# Altium PCB InterceptorRS232.PcbDoc
Units mm, origin at the board's own origin, x right, y up, seen from the top; angles counter-clockwise.
Board outline 125 x 63 mm, 2 copper layers (Top Layer, Bottom Layer); 33 components, 41 nets, 187 pads, 0 vias.
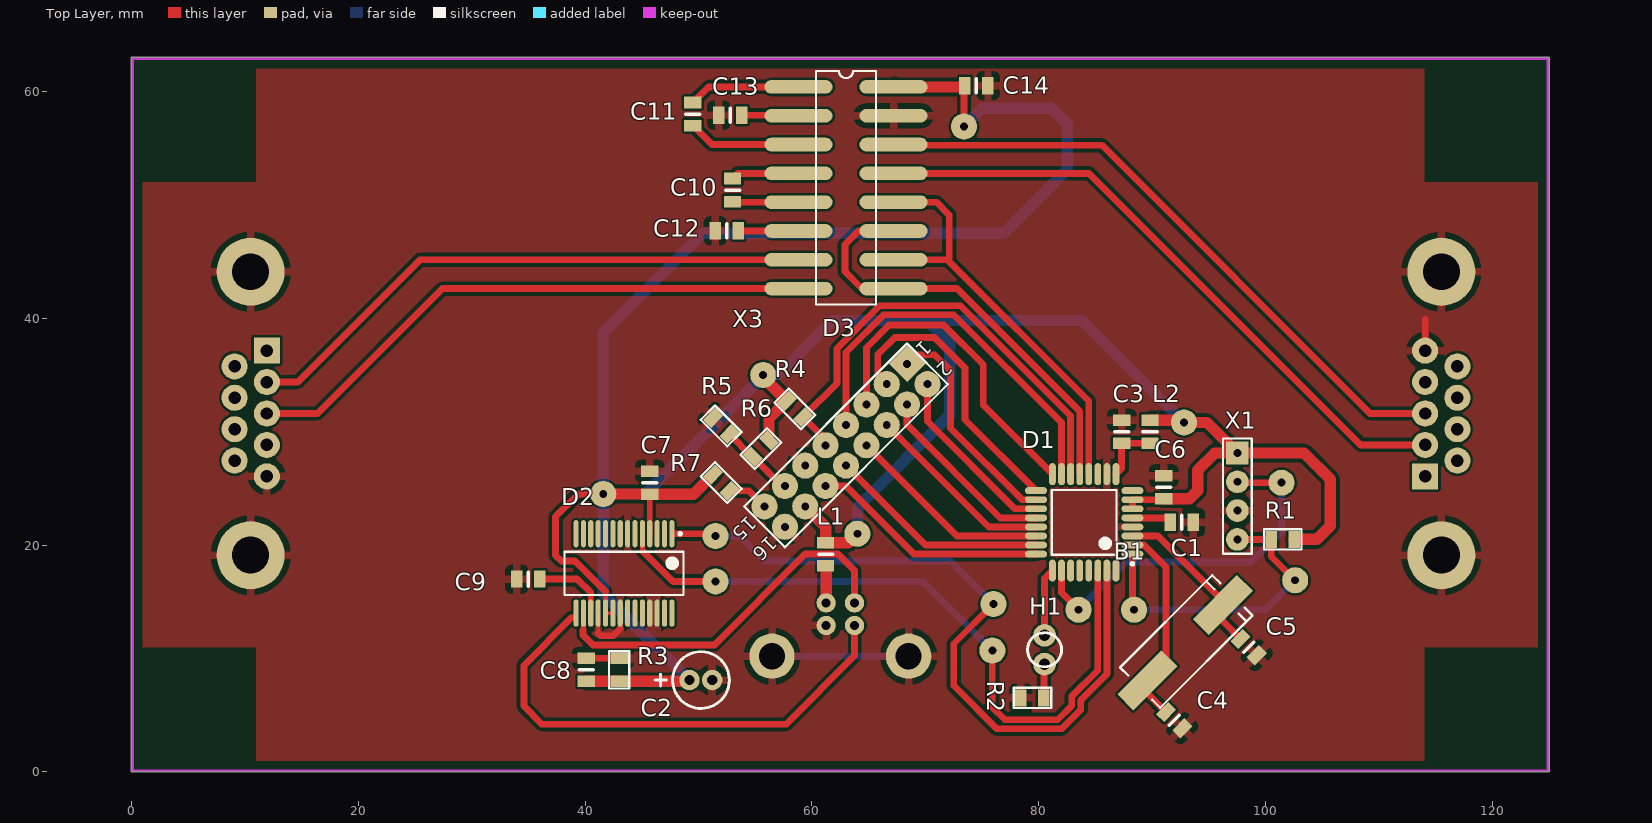
[diagram p0: Top Layer view]
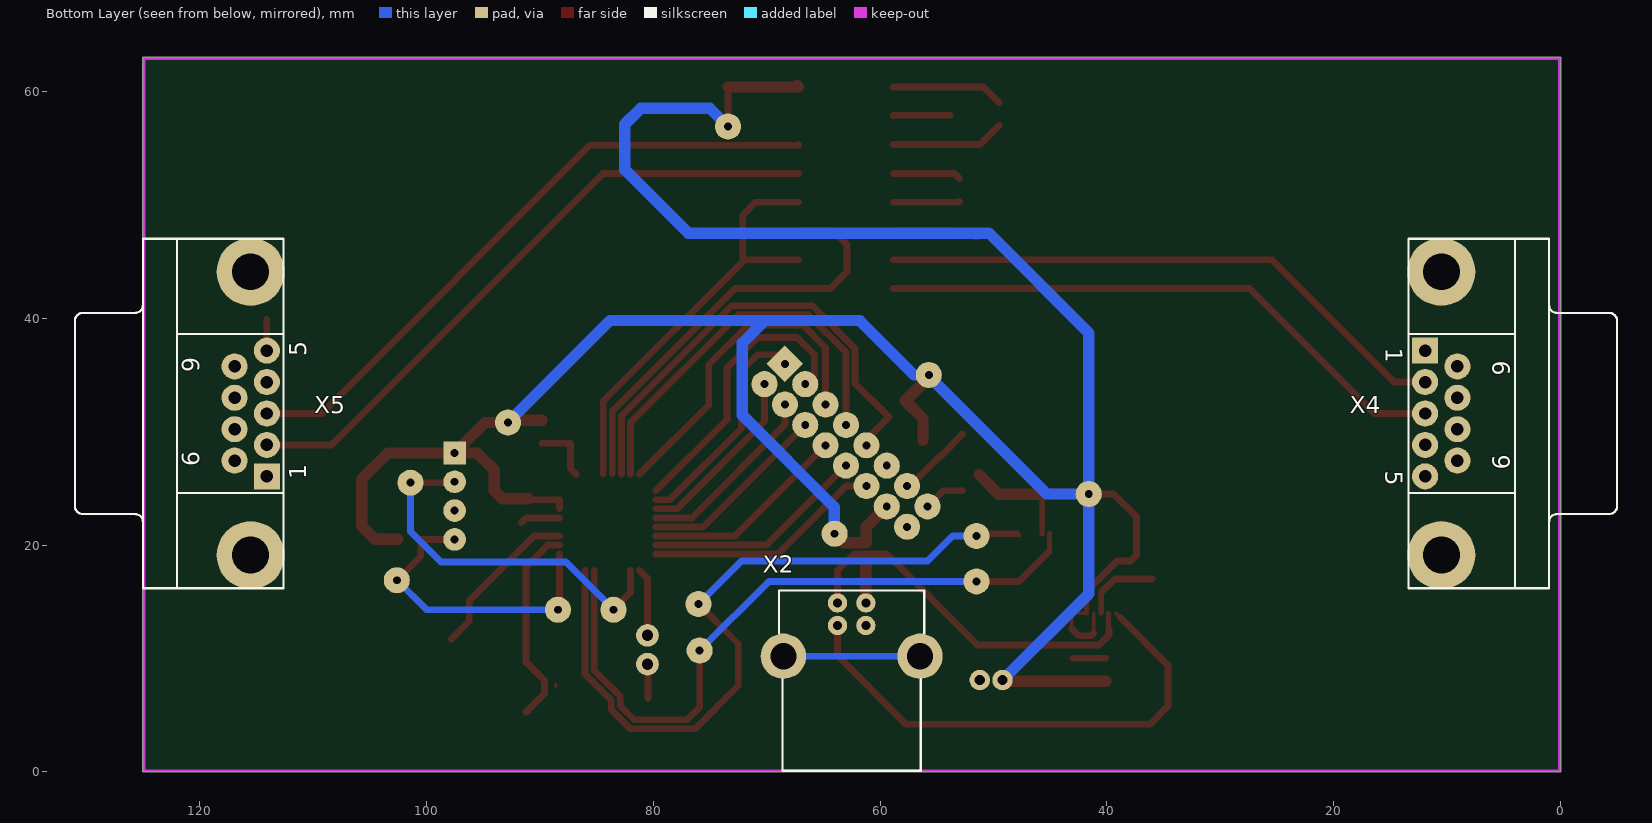
[diagram p1: Bottom Layer view, seen from below]

## Layer stack, top to bottom
Top Solder: solder mask 0.0102, Solder Resist, Dk 3.5
Top Layer: signal copper 0.0356
Dielectric 1: dielectric 0.32, FR-4, Dk 4.8
Bottom Layer: signal copper 0.0356
Bottom Solder: solder mask 0.0102, Solder Resist, Dk 3.5

## Board outline
0,63 125,63 125,0 0,0

## Design rules (kind name [scope] priority, off if disabled: settings)
Clearance [All] p1: gap=0.2 ignorepadtopadclearanceinfootprint=FALSE except(0: Arc-Hole Track-Hole SMDPad-Hole THPad-Hole Via-Hole Fill-Hole Poly-Hole Region-Hole Text-Hole; 0.3: Arc-Fill Arc-Poly Arc-Region Track-Fill Track-Poly Track-Region)
ComponentClearance [All] p1: gap=0.254 collisioncheckmode=3 verticalgap=0.254 showdistances=TRUE
PlaneConnect [All] p1: planeconnectstyle=Relief reliefexpansion=0.508 reliefentries=4 reliefconductorwidth=0.6 reliefairgap=0.5
PolygonConnect [All] p1: connectstyle=Relief reliefconductorwidth=0.7 reliefentries=4 polygonreliefangle="90 Angle" airgapwidth=0.5
RoutingVias [All] p1: holewidth=0.711 width=1.27 viastyle="Through Hole" minholewidth=0.711 minwidth=1.27 maxholewidth=0.711 maxwidth=1.27
SolderMaskExpansion [All] p1: expansion=0.3
UnRoutedNet [All] p1: checkbadconnections=TRUE
Width Width_5V_1mm [InNet('5В')OR InNet('NetL1_1')] p1: maxlimit=1 minlimit=0.2 preferedwidth=1 minimp=50.000000 maximp=50.000000 favimp=50.000000
Width [All] p2: maxlimit=1 minlimit=0.254 preferedwidth=0.6 minimp=50.000000 maximp=50.000000 favimp=50.000000
27 further rules are at their usual default settings.

## Components (designator, comment, footprint, x,y, rotation, side; value= is the part's Value field where it differs from the comment)
B1 "*" CSM-7 93,11.5 r225 top
C1 "" SMD-0805C 92.612,22 r270 top
C2 "Cap_el" CAP_5x11 49.2,8.1 r0 top
C3 "" SMD-0805C 87.3,30 r0 top
C4 "" SMD-0805C 91.933,4.567 r45 top
C5 "" SMD-0805C 98.5,11 r45 top
C6 "" SMD-0805C 91,25.1 r0 top
C7 "" SMD-0805C 45.7,25.5 r0 top
C8 "" SMD-0805C 40.1,9 r0 top
C9 "" SMD-0805C 35,17 r90 top
C10 "" SMD-0805C 53,51.3 r180 top
C11 "" SMD-0805C 49.5,58 r180 top
C12 "" SMD-0805C 52.5,47.7 r90 top
C13 "" SMD-0805C 52.8,57.9 r90 top
C14 "" SMD-0805C 74.5,60.5 r270 top
D1 "*" TQFP32_M 84,22 r180 top
D2 "FT232RL-Reel" SSOP-28_M 43.425,17.5 r270 top
D3 "MAX232EWE" "SOP-16 (2.54 mm)" 63,51.5 r270 top
H1 "" LED_3mm 80.5,12.04 r270 top
L1 "Inductor" SMD-0805C 61.2,19.2 r180 top value=10mH
L2 "Inductor" SMD-0805C 89.8,30 r0 top value=10mH
R1 "" SMD-0805-RES 101.5,20.5 r90 top value=1K
R2 "" SMD-0805-RES 79.436,6.524 r270 top value=1K
R3 "" SMD-0805-RES 43,9 r0 top value=1K
R4 "" SMD-0805-RES 58.5,32 r45 top value=1K
R5 "" SMD-0805-RES 52,30.5 r225 top value=1K
R6 "" SMD-0805-RES 55.5,28.5 r315 top value=1K
R7 "" SMD-0805-RES 52,25.5 r45 top value=1K
X1 "*" PLS-4 97.5,28.12 r270 top
X2 "*" "FCI USB 61729-0010BLF" 62.5,10.2 r180 bottom
X3 "*" PLD2x8 68.388,35.98 r225 top
X4 "*" DB-9F 1.02,31.6 r270 bottom
X5 "*" DB-9M 124.98,31.6 r90 bottom

## Footprints (in the part's own frame and the unit in brackets; to place one, negate y for a bottom-side part, rotate by r counter-clockwise, add the part's x,y. Pads: shape width x height; smd on the part's side, far side on the other; paste and mask are expansions set on the pad)
CAP_5x11 [mm] "Electorlytic capacitor 5x11; 2 Leads"
  round 1.8 hole 0.9: 1(0,0) 2(2,0)
  silkscreen extent -3.05,-2.5 3.52,2.5, body extent -1.48,-2.5 3.51,2.5, height 11.11
CSM-7 [mm] "Quartz Crystal, SM; 2 Leads; Body 11.4 x 4.8 x 5 mm (LxWxH)"
  rect 5.5x2 smd: 1(-4.55,0) 2(4.85,0)
  silkscreen extent -5.75,-2.5 5.75,2.5, body extent -6.6,-2.5 6.9,2.5, height 4.3
DB-9F [mm] "Connector female; D Subminiature; 9 Position; Right Angle; Pitch 1.385 mm"
  rect 2.3x2.3 hole 1.09: 1(-5.54,-10.92)
  round 2.3 hole 1.09: 2(-2.77,-10.92) 3(0,-10.92) 4(2.77,-10.92) 5(5.54,-10.92) 6(-4.155,-8.08) 7(-1.385,-8.08) 8(1.385,-8.08) 9(4.155,-8.08)
  round 6 hole 3.26: 10(-12.495,-9.5) 11(12.495,-9.5)
  silkscreen extent -15.4,-12.4 15.4,6, body extent -15.4,-12.5 15.41,5.8, height 12.52
DB-9M [mm] "Connector male; D Subminiature; 9 Position; Right Angle; Pitch 1.385 mm"
  rect 2.3x2.3 hole 1.09: 1(-5.54,-10.92)
  round 2.3 hole 1.09: 2(-2.77,-10.92) 3(0,-10.92) 4(2.77,-10.92) 5(5.54,-10.92) 6(-4.155,-8.08) 7(-1.385,-8.08) 8(1.385,-8.08) 9(4.155,-8.08)
  round 6 hole 3.26: 10(-12.495,-9.5) 11(12.495,-9.5)
  silkscreen extent -15.4,-12.4 15.4,6, body extent -15.25,-12.72 15.25,4.98, height 12.5
"FCI USB 61729-0010BLF" [mm]
  round 1.7 hole 0.8: 1(1.25,4.7) 2(-1.25,4.7) 3(-1.25,2.71) 4(1.25,2.71)
  round 4 hole 2.3: 5(-6.02,0) 6(6.02,0)
  silkscreen extent -6.4,-10.1 6.4,5.8, body extent -7.49,-10.28 7.46,6.22, height 10.9
LED_3mm [mm] "Photosensitive Diode; 2 Leads"
  round 2 hole 1: 1(0,0) 2(2.54,0)
  silkscreen extent -0.23,-1.5 2.77,1.5, body extent -0.76,-1.52 3.23,1.97, height 5.08
PLD2x8 [mm] "Connector; Header; 8x2 Position"
  rect 2.3x2.3 hole 0.7: 1(0,0)
  round 2.3 hole 0.7: 2(0,2.54) 3(2.54,0) 4(2.54,2.54) 5(5.08,0) 6(5.08,2.54) 7(7.62,0) 8(7.62,2.54) 9(10.16,0) 10(10.16,2.54) 11(12.7,0) 12(12.7,2.54) 13(15.24,0) 14(15.24,2.54) 15(17.78,0) 16(17.78,2.54)
  silkscreen extent -1.27,-1.27 19.05,3.81, body extent -1.27,-1.23 19.05,3.77, height 8.6
PLS-4 [mm] "Connector; Header; 4 Position"
  rect 2x2 hole 0.7: 1(0,0)
  round 2 hole 0.7: 2(2.54,0) 3(5.08,0) 4(7.62,0)
  silkscreen extent -1.27,-1.27 8.89,1.27, body extent -1.27,-1.27 8.89,1.27, height 9.5
SMD-0805-RES [mil]
  rect 60x40 smd: 1(0,40) 2(0,-40)
  silkscreen extent -35,-65 35,65, body extent -24,-39 26,39, height 31
SMD-0805C [mil]
  rect 60x40 smd: 1(0,40) 2(0,-40)
  silkscreen extent -25,0 25,0, body extent -25,-39 25,39, height 35
"SOP-16 (2.54 mm)" [mm] "SOP; 16 Leads; Row Spacing 7.62 mm; Pitch 2.54 mm"
  oval 1.2x6 smd: 1(-8.89,-4.191) 2(-6.35,-4.191) 3(-3.81,-4.191) 4(-1.27,-4.191) 5(1.27,-4.191) 6(3.81,-4.191) 7(6.35,-4.191) 8(8.89,-4.191) 9(8.89,4.191) 10(6.35,4.191) 11(3.81,4.191) 12(1.27,4.191) 13(-1.27,4.191) 14(-3.81,4.191) 15(-6.35,4.191) 16(-8.89,4.191)
  silkscreen extent -10.3,-2.65 10.3,2.65, body extent -10.16,-4.75 10.14,5.25, height 4.45
SSOP-28_M [mm] "SOP, 28-Leads, Body 10.2x5.3mm, Pitch 0.65mm, IPC Low Density"
  oval 2.4x0.45 smd: 1(-3.5,4.225) 2(-3.5,3.575) 3(-3.5,2.925) 4(-3.5,2.275) 5(-3.5,1.625) 6(-3.5,0.975) 7(-3.5,0.325) 8(-3.5,-0.325) 9(-3.5,-0.975) 10(-3.5,-1.625) 11(-3.5,-2.275) 12(-3.5,-2.925) 13(-3.5,-3.575) 14(-3.5,-4.225) 15(3.5,-4.225) 16(3.5,-3.575) 17(3.5,-2.925) 18(3.5,-2.275) 19(3.5,-1.625) 20(3.5,-0.975) 21(3.5,-0.325) 22(3.5,0.325) 23(3.5,0.975) 24(3.5,1.625) 25(3.5,2.275) 26(3.5,2.925) 27(3.5,3.575) 28(3.5,4.225)
  silkscreen extent -3.62,-5.25 1.9,5.25, body extent -3.9,-5.12 3.9,5.08, height 1.9
TQFP32_M [mm] "Thin QFP, 32-Leads, Body 7x7mm, Pitch 0.8mm, IPC Low Density"
  oval 1.95x0.6 smd: 1(-4.25,2.8) 2(-4.25,2) 3(-4.25,1.2) 4(-4.25,0.4) 5(-4.25,-0.4) 6(-4.25,-1.2) 7(-4.25,-2) 8(-4.25,-2.8) 17(4.25,-2.8) 18(4.25,-2) 19(4.25,-1.2) 20(4.25,-0.4) 21(4.25,0.4) 22(4.25,1.2) 23(4.25,2) 24(4.25,2.8)
  oval 0.6x1.95 smd: 9(-2.8,-4.25) 10(-2,-4.25) 11(-1.2,-4.25) 12(-0.4,-4.25) 13(0.4,-4.25) 14(1.2,-4.25) 15(2,-4.25) 16(2.8,-4.25) 25(2.8,4.25) 26(2,4.25) 27(1.2,4.25) 28(0.4,4.25) 29(-0.4,4.25) 30(-1.2,4.25) 31(-2,4.25) 32(-2.8,4.25)
  silkscreen extent -4.38,-2.85 2.85,3.77, body extent -4.5,-4.5 4.5,4.5, height 1.1

## Part data
B1: library part CRYSTAL_OSCILLATOR, "Crystal oscillator"
C1 C3 C4 C5 C6 C7 C8 C9 C10 C11 C12 C13 C14: library part Cap, "Capacitor", LatestRevisionDate=17-Jul-2002, LatestRevisionNote="Re-released for DXP Platform.", PackageDescription="Radial Cap, Thru-Hole; 2 Leads; 0.3 in Pin Spacing", PackageReference=RAD-0.3, Published=8-Jun-2000, Publisher="Altium Limited"
C2: "Electrolytic capacitor", LatestRevisionDate=17-Jul-2002, LatestRevisionNote="Re-released for DXP Platform.", PackageDescription="Radial Cap, Thru-Hole; 2 Leads; 0.3 in Pin Spacing", PackageReference=RAD-0.3, Published=8-Jun-2000, Publisher="Altium Limited"
D1: library part STM8S207/STM8S208, "8-bit STM8 MCU"
D2: "USB UART Asynchronous Serial Data Transfer Chip, SSOP-28, Tape and Reel", ComponentLink1Description="Manufacturer Link", ComponentLink1URL=http://www.ftdichip.com/Products/ICs/FT232R.htm, ComponentLink2Description=Datasheet, ComponentLink2URL=http://www.ftdichip.com/Support/Documents/DataSheets/ICs/DS_FT232R.pdf, DatasheetVersion="ver 2.07, Jul-2010", PackageDescription="28-Pin Small Outline Package 0.65 mm Pitch", PackageReference=SSOP-28, PackageVersion=2010, Published=19-Aug-2010, Publisher="Altium Limited"
D3: "+5V Powered RS-232 Driver/Receiver", Code_IPC=SOIC127P1030-16, Code_JEDEC=MS-013-AA, ComponentLink1Description="Manufacturer Link", ComponentLink1URL=http://www.maxim-ic.com/, ComponentLink2Description=Datasheet, ComponentLink2URL=http://pdfserv.maxim-ic.com/en/ds/MAX220-MAX249.pdf, DatasheetVersion=Apr-1992, LatestRevisionDate=13-Apr-2006, LatestRevisionNote="IPC-7351 Footprint Added.", PackageDescription="16-Pin Small Outline Integrated Circuit 1.27 mm Pitch", PackageReference=WSO16, Published=16-Jan-2001, Publisher="Altium Limited"
H1: library part LED0, "Typical INFRARED GaAs LED", LatestRevisionDate=08-Jul-2005, LatestRevisionNote="Mech Layer 1 removed.", PackageDescription="LED; 2 Leads", PackageReference=LED-0, Published=8-Jun-2000, Publisher="Altium Limited"
R1 R2 R3 R4 R5 R6 R7: library part Res2, "Resistor", LatestRevisionDate=17-Jul-2002, LatestRevisionNote="Re-released for DXP Platform.", PackageDescription="Axial Device, Thru-Hole; 2 Leads; 0.4 in Pin Spacing", PackageReference=AXIAL-0.4, Published=8-Jun-2000, Publisher="Altium Limited"
X1: library part PLS-4, "PLS-4 connector"
X2: library part USB-B, "USB-B connector"
X3: library part PLD2x8, "PLD2x8 connector"
X4 X5: library part DB-9, "DB-9 connector"
L1 L2: Code_IEC=1005, Code_JEITA=0402, LatestRevisionDate=29-May-2009, LatestRevisionNote="IPC-7351 Footprint Added.", PackageDescription="Chip Inductor", PackageReference=0402-A, Published=8-Jun-2000, Publisher="Altium Limited"

## Free pads (board coordinates)
  round 2.3 hole 0.7: 2(41.6,24.5) 2(51.5,16.8) 2(51.5,20.8) 2(55.7,35) 2(64,21) 2(73.4,56.9) 2(75.9,10.7) 2(76,14.8) 2(83.5,14.3) 2(88.4,14.3) 2(92.8,30.8) 2(101.4,25.5) 2(102.6,16.9)

## Nets (pads, with @x,y where several pads share a name; then routed paths per layer and width w, separated by ;. In a path a pad name is that pad's centre, name@x,y a point inside that pad or via, vN(x,y) a via of type N, cw(c..) or ccw(c..) an arc to the next point about the centre after c; other vN are vias at no path point)
5В: C2.1 C6.2 C7.2 C8.2 C14.2 D1.6 D1.7 D2.4 D2.19 D2.20 D3.16 L1.2 L2.1 pad.2@41.6,24.5 pad.2@55.7,35 pad.2@64,21 pad.2@73.4,56.9 pad.2@92.8,30.8 R1.2 R3.2 R4.1 R6.1 R7.1 X1.1 X3.14 | length 290.4
  Top Layer w0.2: C6.2@90.5,24 C6.2@91,24.5
  Top Layer w0.3: D2.19 D2.20
  Top Layer w0.45: D2.19 41.8,15.9 ; D2.4 C7.2@45.7,24.284
  Top Layer w0.6: pad.2@41.6,24.5 39.4,24.5 37.4,22.5 37.4,19.1 37.9,18.6 39.1,18.6 41.8,15.9 ; C14.2@73.374,60.39 73.4,60.364 pad.2@73.4,56.9 ; D1.6 D1.7 C6.2@90.5,24
  Top Layer w1: C8.2 R3.2 49.084,7.984 C2.1 ; pad.2@41.6,24.5 45.684,24.5 C7.2 49.547,24.484 R7.1 ; pad.2@55.7,35 55.7,34.8 R4.1 56.218,31.155 R6.1 ; X3.14 61.2,21.616 L1.2 63.216,20.216 pad.2@64,21 ; D3.16@67.301,60.5 D3.16 C14.2@73.374,60.39 ; pad.2@73.4,56.9 pad.2@73.484,56.984 ; L2.1 92.584,31.016 92.8,30.8 94.82,30.8 X1.1 ; C6.2 93.284,24.084 93.901,24.701 94,24.8 94,26.6 95.52,28.12 X1.1 ; R1.2 104.5,20.5 105.7,21.7 105.7,25.8 103.38,28.12 X1.1
  Bottom Layer w1: C2.1 41.6,15.7 pad.2@41.6,24.5 ; X3.14 X3.14@59.462,23.354 ; pad.2@64,21 64.048,21.048 64.048,23.354 72.138,31.445 72.138,37.82 70.158,39.8 ; pad.2@73.4,56.9 75,58.5 81.1,58.5 82.5,57.1 82.5,53.1 76.9,47.5 50.4,47.5 41.6,38.7 pad.2@41.6,24.5 ; pad.2@92.8,30.8 83.8,39.8 70.158,39.8 ; pad.2@41.6,24.5 45.3,24.5 55.7,34.9 55.7,35 56.999,35 61.799,39.8 ; 61.799,39.8 70.158,39.8 ; 61.799,39.8 61.8,39.801 70.157,39.801 70.158,39.8
D0: D1.18 X3.1 | length 21.6
  Top Layer w0.6: X3.1@67.822,35.415 67.588,35.649 67.588,36.312 68.057,36.78 70.82,36.78 72.2,35.4 72.2,30.3 78.5,24 D1.18
D1: D1.19 X3.2 | length 16.1
  Top Layer w0.254: D1.19@79.677,23.273 D1.19
  Top Layer w0.6: X3.2 70.184,30.916 77.9,23.2 D1.19
D2: D1.20 X3.4 | length 16.5
  Top Layer w0.6: X3.4 68.388,30.612 76.6,22.4 D1.20
D3: D1.21 X3.6 | length 16.9
  Top Layer w0.6: X3.6 75.584,21.6 D1.21
D4: D1.22 X3.8 | length 18.3
  Top Layer w0.6: X3.8 72.792,20.8 D1.22
D5: D1.23 X3.10 | length 19.6
  Top Layer w0.6: X3.10 70,20 D1.23
D6: D1.24 X3.12 | length 21
  Top Layer w0.6: X3.12 62.996,25.204 69,19.2 D1.24
D7: D1.17 X3.3 | length 25.8
  Top Layer w0.6: X3.3 65.8,34.976 65.8,36.8 67.3,38.3 70.8,38.3 73.5,35.6 73.5,31.05 D1.17
E: D1.14 R4.2 X3.9 | length 41.9
  Top Layer w0.6: X3.9 61.204,29.296 R4.2 62.2,34.263 62.2,37.331 65.969,41.1 73.1,41.1 82.8,31.4 D1.14
GND: C1.1 C2.2 C3.1 C4.2 C5.2 C6.1 C7.1 C8.1 C9.1 C12.1 C13.1 C14.1 D1.4 D1.10 D2.7 D2.18 D2.21 D2.25 D2.26 D3.15 R2.2 R3.1 R5.2 X1.3 X2.4 X2.5 X2.6 X3.11 X3.16 X4.5 X4.10 X4.11 X5.5 X5.10 X5.11 | length 29.9
  Top Layer w0.3: 41.15,12.25 D2.18 ; 43.1,12.65 D2.21
  Top Layer w0.6: X4.11 X4.11@10.52,21.869 ; C8.1 R3.1 ; 41.15,12.25 41.4,12 42.45,12 43.1,12.65 ; C12.1@51.484,47.163 C12.1 ; X5.5 114.06,39.903 ; X5.11@115.48,41.323 X5.11
  Bottom Layer w0.3: X4.5@11.94,25.399 X4.5
  Bottom Layer w0.6: X2.6 X2.5
GPIO_UART_RX: D1.12 D3.10 D3.12 | length 38.2
  Top Layer w0.6: D3.10 71.95,45.15 ; D3.12 70.97,50.23 72.1,49.1 72.1,45.3 71.95,45.15 ; D1.12 84.4,32.7 71.95,45.15
GPIO_UART_TX: D1.13 D3.9 D3.11 | length 38.6
  Top Layer w0.3: D1.13@83.55,26.3 D1.13
  Top Layer w0.6: D3.11 64.09,47.69 62.9,46.5 62.9,44.1 64.39,42.61 D3.9 72.792,42.61 83.6,31.802 D1.13@83.6,26.3
NetB1_1: B1.1 C5.1 D1.3 | length 14.3
  Top Layer w0.6: D1.3 90.5,20.8 96.217,15.083 B1.1 96.217,13.283 C5.1
NetB1_2: B1.2 C4.1 D1.2 | length 18.3
  Top Layer w0.3: B1.2@88.571,7.571 B1.2@88.571,7.671 ; B1.2@89.571,7.9 B1.2 ; C4.1@90.855,5.286 C4.1
  Top Layer w0.6: D1.2 89.256,20 91.2,18.056 91.2,9.7 B1.2 ; B1.2@89.571,7.9 89.571,6.929 C4.1
NetC1_2: C1.2 D1.5 | length 3.5
  Top Layer w0.6: D1.5 91.196,22.4 C1.2
NetC3_2: C3.2 D1.9 L2.2 | length 5.4
  Top Layer w0.6: D1.9 87.3,26.75 C3.2 L2.2
NetC9_2: C9.2 D2.17 | length 6.8
  Top Layer w0.45: D2.17 40.5,15.8
  Top Layer w0.6: C9.2 39.3,17 40.5,15.8
NetC10_1: C10.1 D3.5 | length 5.8
  Top Layer w0.6: C10.1 53.054,50.23 D3.5
NetC10_2: C10.2 D3.4 | length 6
  Top Layer w0.6: C10.2 53.454,52.77 D3.4
NetC11_1: C11.1 D3.3 | length 10
  Top Layer w0.6: C11.1 51.174,55.31 D3.3
NetC11_2: C11.2 D3.1 | length 9.9
  Top Layer w0.6: C11.2 50.874,60.39 D3.1
NetC12_2: C12.2 D3.6 | length 5.3
  Top Layer w0.3: C12.2 C12.2@53.526,47.69
  Top Layer w0.6: C12.2 58.799,47.7 D3.6
NetC13_2: C13.2 D3.2 | length 5
  Top Layer w0.6: C13.2 58.759,57.9 D3.2
NetD1_1: D1.1 pad.2@88.4,14.3 pad.2@102.6,16.9 R1.1 X1.4 | length 27.7
  Top Layer w0.6: D1.1 88.25,14.45 pad.2@88.4,14.3 ; X1.4 R1.1 100.484,19.016 pad.2@102.6,16.9
  Bottom Layer w0.6: pad.2@88.4,14.3 100,14.3 pad.2@102.6,16.9
NetD1_25: D1.25 H1.1 | length 6
  Top Layer w0.6: H1.1 80.5,17.05 D1.25
NetD1_26: D1.26 pad.2@83.5,14.3 pad.2@101.4,25.5 X1.2 | length 33.1
  Top Layer w0.6: D1.26 82,15.8 pad.2@83.5,14.3 ; X1.2 97.58,25.5 pad.2@101.4,25.5
  Bottom Layer w0.6: pad.2@83.5,14.3 87.7,18.5 98.7,18.5 101.4,21.2 pad.2@101.4,25.5
NetD2_15: D2.15 X2.3 | length 45.1
  Top Layer w0.3: 38.8,13.6 D2.15
  Top Layer w0.6: 38.8,13.6 34.6,9.4 34.6,5.8 36.2,4.2 57.7,4.2 63.75,10.25 X2.3
NetD2_16: D2.16 X2.2 | length 33
  Top Layer w0.3: D2.16@39.85,13.975 D2.16
  Top Layer w0.45: 39.825,12.49 39.825,12.731 39.85,12.756 D2.16@39.85,13.975
  Top Layer w0.6: 39.825,12.49 39.825,12.075 40.7,11.2 51.4,11.2 59.4,19.2 62.3,19.2 63.75,17.75 X2.2
NetD3_7: D3.7 X4.2 | length 51.3
  Top Layer w0.6: X4.2 14.67,34.37 25.45,45.15 D3.7
NetD3_8: D3.8 X4.3 | length 51.4
  Top Layer w0.6: X4.3 16.4,31.6 27.41,42.61 D3.8
NetD3_13: D3.13 X5.2 | length 56.8
  Top Layer w0.6: D3.13 84.43,52.77 108.37,28.83 X5.2
NetD3_14: D3.14 X5.3 | length 56.7
  Top Layer w0.6: D3.14 67.191,55.25 85.55,55.25 109.2,31.6 X5.3
NetH1_2: H1.2 R2.1 | length 3
  Top Layer w0.6: R2.1 80.452,9.452 H1.2
NetL1_1: L1.1 X2.1 | length 3.3
  Top Layer w1: L1.1 61.25,18.134 X2.1
NetR5_1: R5.1 R6.2 X3.13 | length 6.9
  Top Layer w0.6: R5.1@52.782,29.782 R5.1 R6.2@54.718,27.782 ; X3.13 57.359,25.204 R6.2 ; R6.2@54.718,27.782 R6.2 ; R6.2@54.718,27.782 R6.2
NetR7_2: R7.2 X3.15 | length 3.7
  Top Layer w0.6: R7.2 54.442,24.782 X3.15
R/W: D1.15 X3.7 | length 34.6
  Top Layer w0.6: X3.7@63,31.242 63,37 66.3,40.3 72.5,40.3 82,30.8 D1.15
RS: D1.16 X3.5 | length 29.6
  Top Layer w0.6: X3.5@64.336,32.848 64.631,33.142 64.796,33.142 64.796,37.396 66.8,39.4 71.6,39.4 75.1,35.9 75.1,32.35 D1.16
UART_RX: D1.31 D2.1 pad.2@51.5,20.8 pad.2@76,14.8 | length 66.3
  Top Layer w0.3: D2.1@47.7,20.8 47.9,21 ; pad.2@51.3,21 pad.2@51.5,20.8
  Top Layer w0.6: 47.9,21 pad.2@51.3,21 ; pad.2@76,14.8 72.5,11.3 72.5,7.6 76.3,3.8 82,3.8 83.7,5.5 83.7,6.331 86,8.631 D1.31
  Bottom Layer w0.6: pad.2@51.5,20.8 53.6,20.8 55.8,18.6 72.2,18.6 pad.2@76,14.8
UART_TX: D1.30 D2.5 pad.2@51.5,16.8 pad.2@75.9,10.7 | length 61.8
  Top Layer w0.45: D2.5 45.05,19.756 45.047,19.753 45.075,19.725 45.075,19.49
  Top Layer w0.6: 45.075,19.49 47.765,16.8 pad.2@51.5,16.8 ; pad.2@75.9,10.7 75.9,5.7 77,4.6 81.669,4.6 82.9,5.831 82.9,6.663 85.2,8.963 D1.30
  Bottom Layer w0.6: pad.2@51.5,16.8 69.8,16.8 pad.2@75.9,10.7
pads on no net: D1.8 D1.11 D1.27 D1.28 D1.29 D1.32 D2.2 D2.3 D2.6 D2.8 D2.9 D2.10 D2.11 D2.12 D2.13 D2.14 D2.22 D2.23 D2.24 D2.27 D2.28 X4.1 X4.4 X4.6 X4.7 X4.8 X4.9 X5.1 X5.4 X5.6 X5.7 X5.8 X5.9

## Polygon pours and split planes (outlines as drawn)
GND on Top Layer "TopGND" (solid, remove dead copper, pour order 4): 114,1 114,11 124,11 124,52 114,52 114,62 11,62 11,52 1,52 1,11 11,11 11,1

## Keep-outs
Keep-Out Layer:
  lines w0.254: 0.1,0.1 0.1,62.9 124.9,62.9 124.9,0.1 0.1,0.1

## Text inside footprints (layer, text, board x,y; h text height)
X3: Top Overlay "2" at 71.621,36.339 h1.27 r225; Top Overlay "1" at 69.825,38.136 h1.27 r225; Top Overlay "15" at 54.379,22.689 h1.27 r225; Top Overlay "16" at 56.175,20.893 h1.27 r225
X4: Bottom Overlay "6" at 5.995,36.255 h1.5 r90; Bottom Overlay "9" at 5.995,27.945 h1.5 r90; Bottom Overlay "5" at 15.395,26.56 h1.5 r90; Bottom Overlay "1" at 15.395,37.39 h1.5 r90
X5: Bottom Overlay "6" at 120.005,26.945 h1.5 r270; Bottom Overlay "9" at 120.005,35.255 h1.5 r270; Bottom Overlay "5" at 110.605,36.64 h1.5 r270; Bottom Overlay "1" at 110.605,25.81 h1.5 r270